# KiCad board Main PCB.kicad_pcb
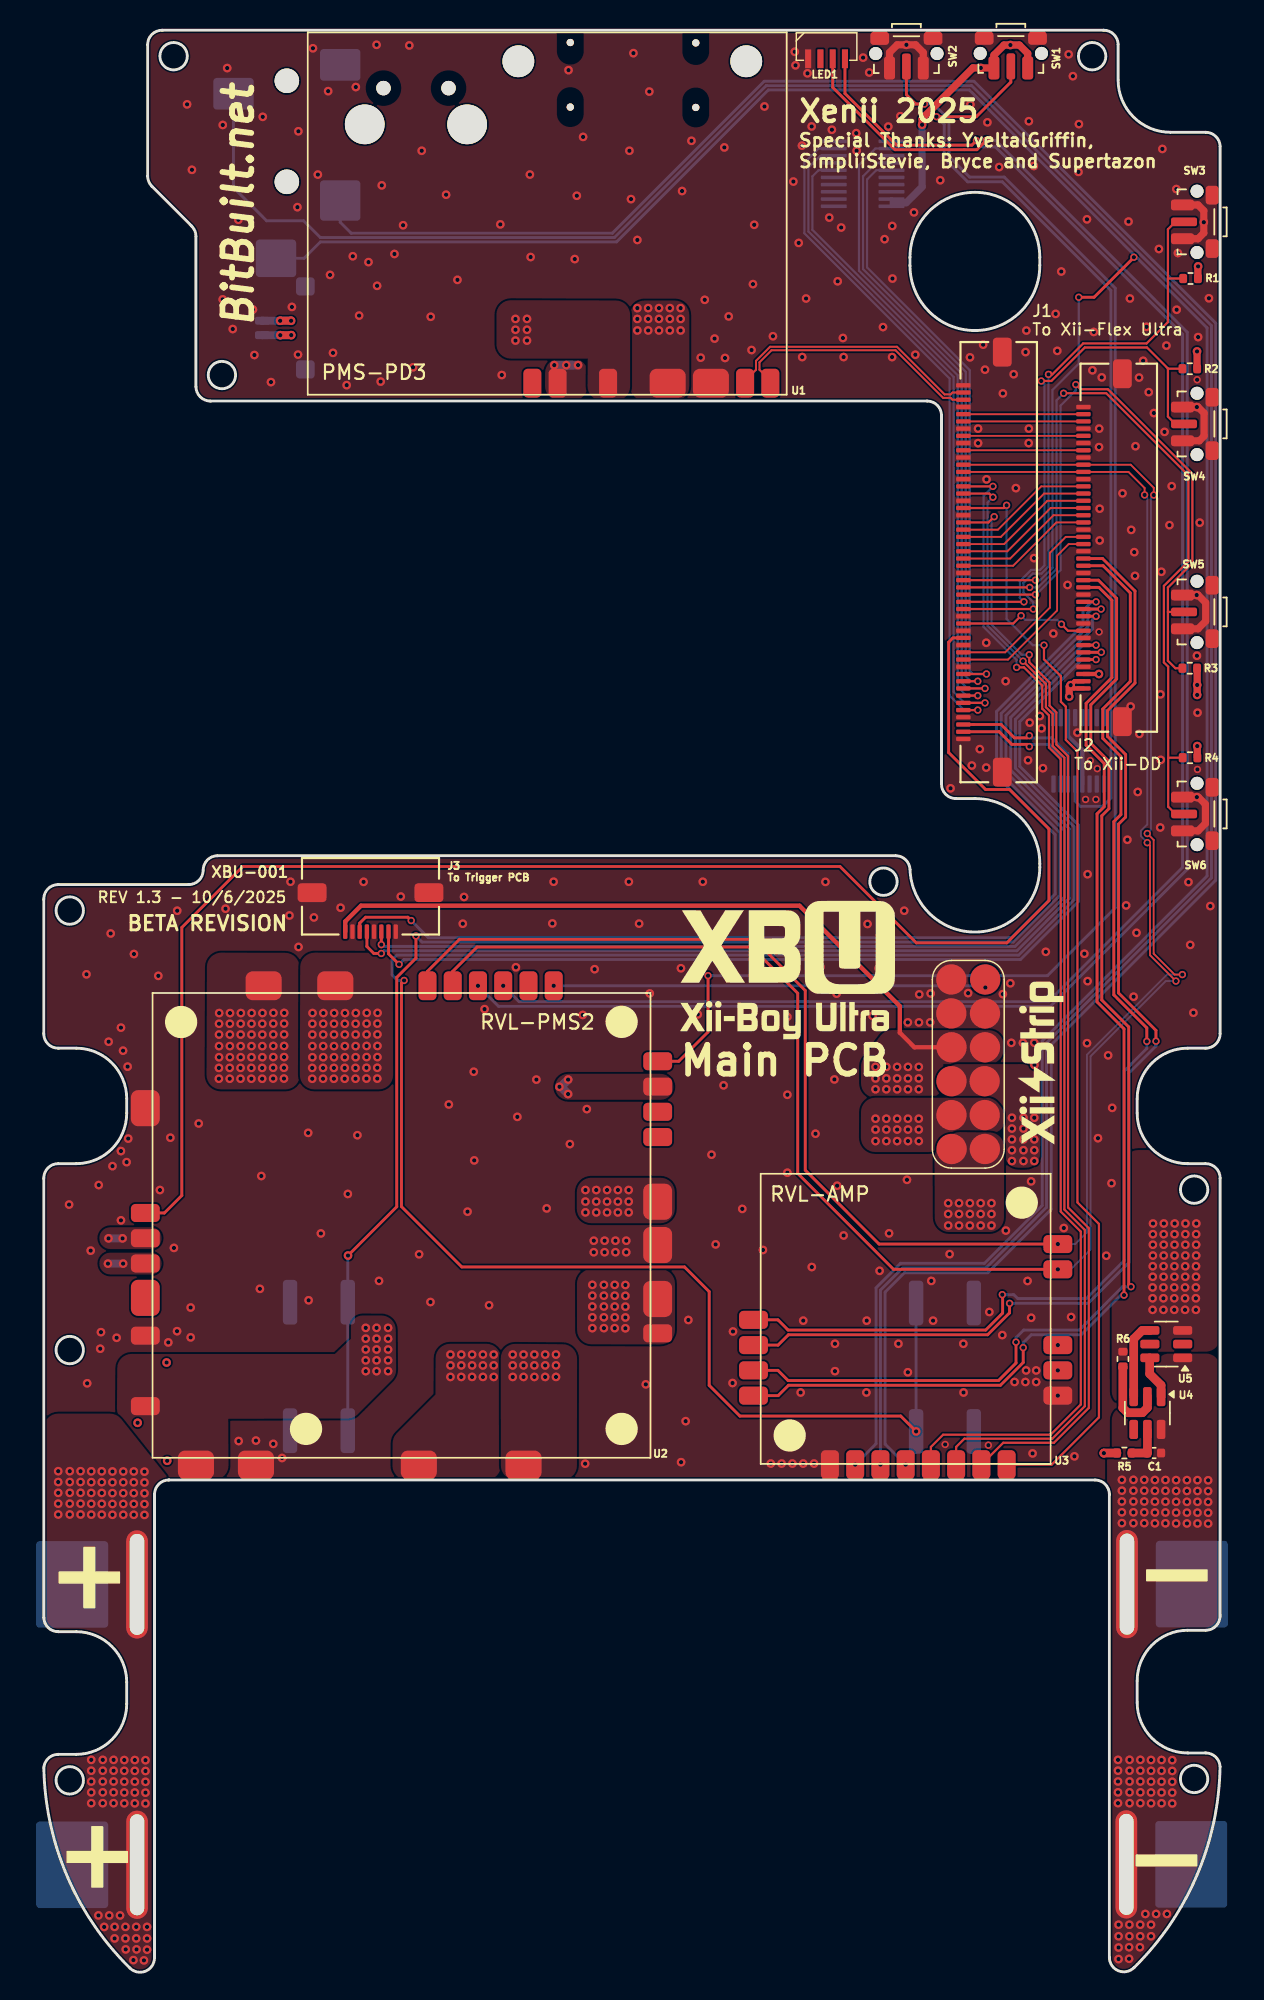
[diagram p0: board, top side]
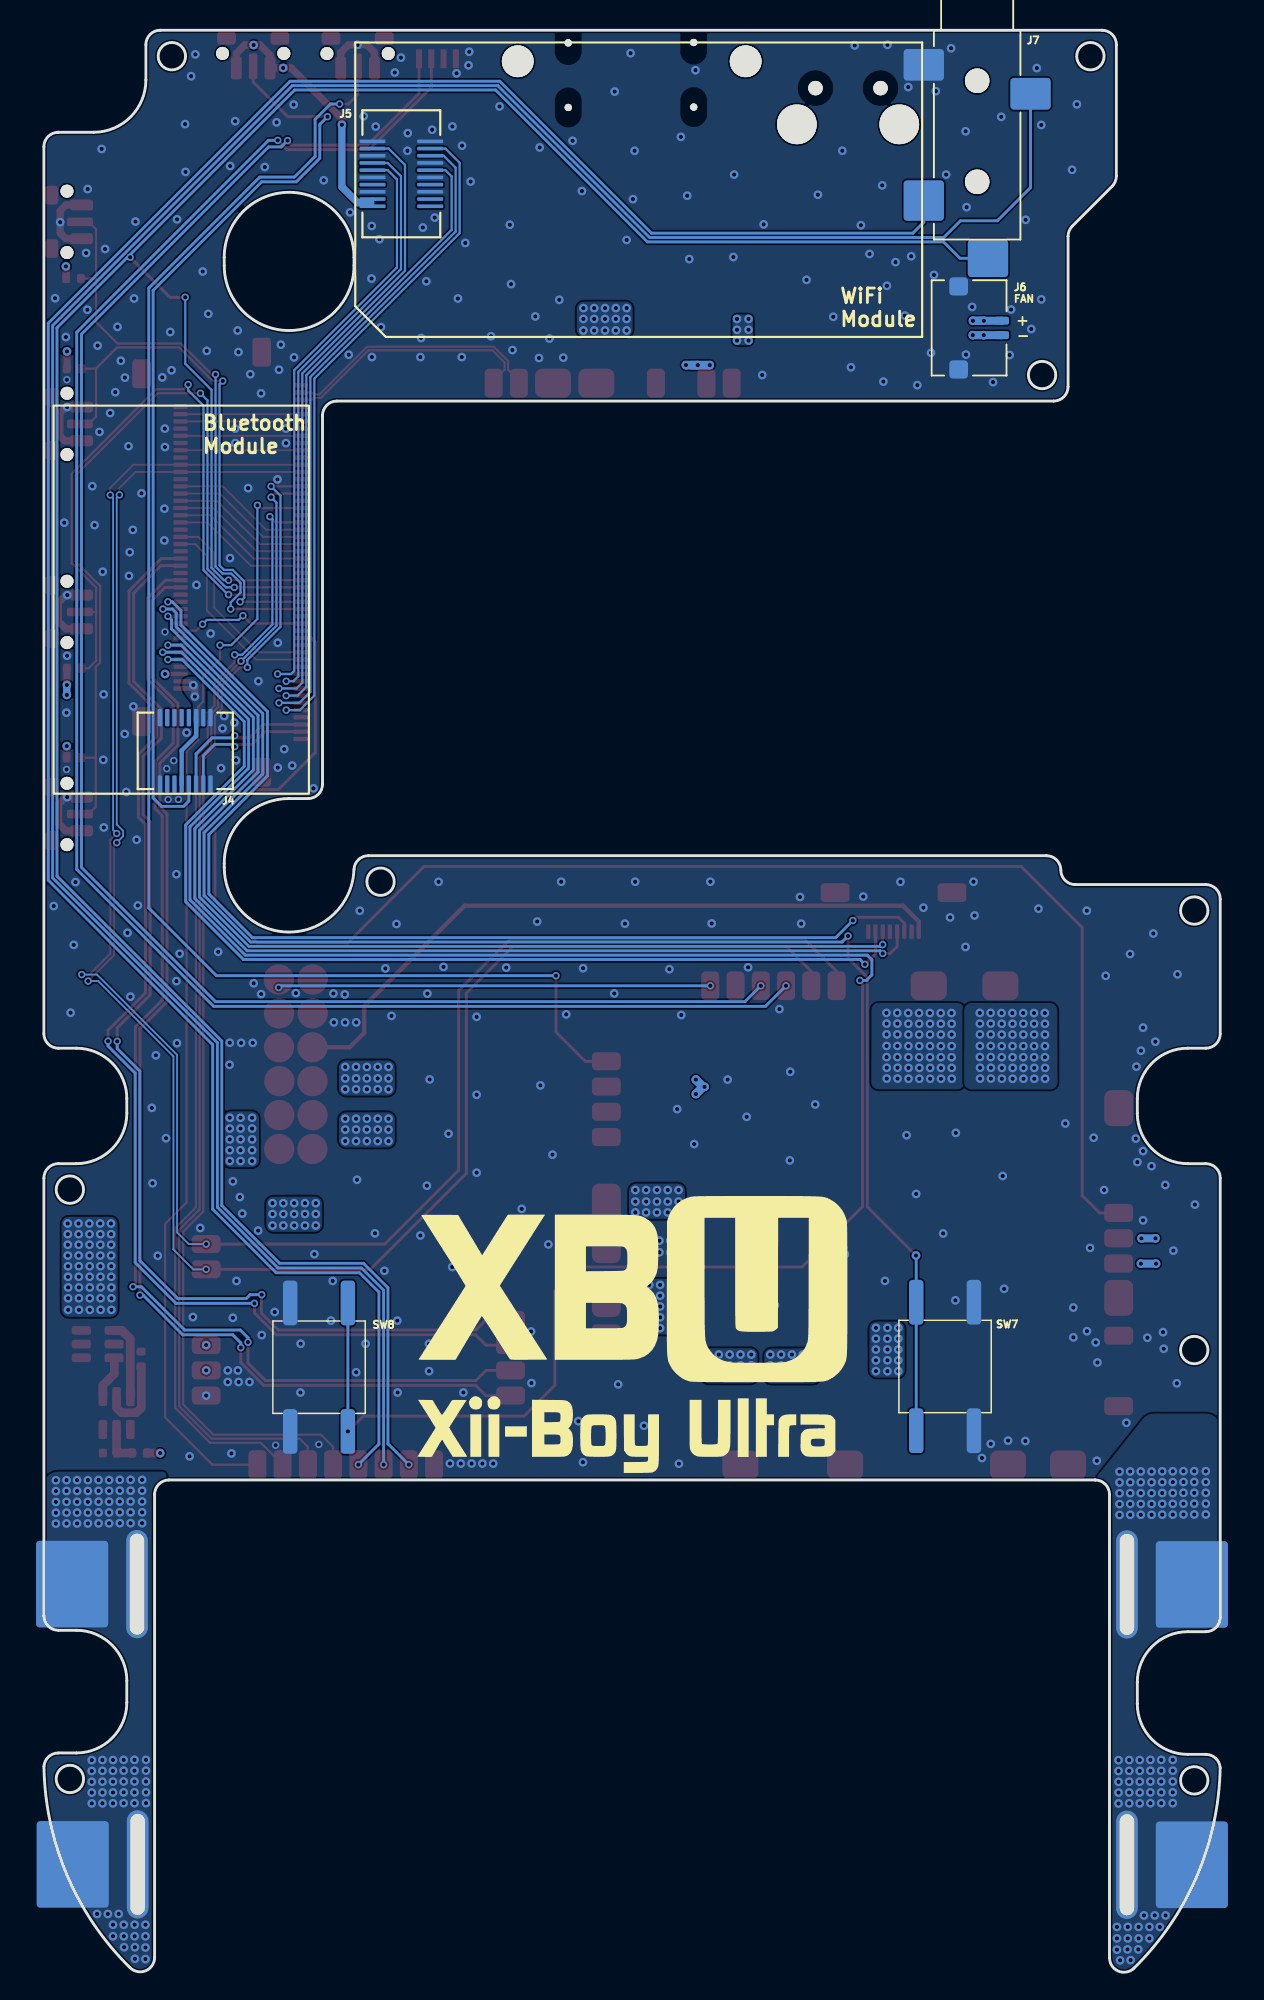
[diagram p1: board, bottom side, seen from below]

Outline 81.55 x 134.47 mm; copper layers: Top, In1.Cu, In2.Cu, Bottom. Coordinates in mm from the lower left corner of the outline.
Outline path: circle c1.8,73.48 r0.95 ; circle c1.8,43.03 r0.95 ; circle c1.8,13.22 r0.95 ; circle c9,132.67 r0.95 ; circle c12.35,110.58 r0.95 ; circle c58.21,75.48 r0.95 ; circle c72.68,132.67 r0.95 ; circle c79.75,13.31 r0.95 ; circle c79.75,54.14 r0.95 ; 0,74.28 0,64.93 arc(0.3,64.23) 1,63.94 2.25,63.94 arc(4.72,62.92) 5.75,60.44 5.75,59.44 arc(4.72,56.97) 2.25,55.94 1,55.94 arc(0.29,55.65) 0,54.94 0,24.51 arc(0.3,23.81) 1,23.52 2.25,23.52 arc(4.72,22.49) 5.75,20.02 5.75,18.52 arc(4.72,16.04) 2.25,15.02 0.99,15.02 arc(0.32,14.75) 0,14.1 arc(1.63,6.57) 5.97,0.21 arc(7.06,0) 7.67,0.92 7.67,33.03 arc(7.97,33.74) 8.68,34.03 72.88,34.03 arc(73.58,33.74) 73.88,33.03 73.88,0.95 arc(74.49,0.03) 75.58,0.24 arc(79.93,6.62) 81.55,14.18 arc(81.23,14.84) 80.55,15.11 79.3,15.11 arc(76.83,16.14) 75.8,18.61 75.8,20.11 arc(76.83,22.59) 79.3,23.61 80.56,23.61 arc(81.26,23.91) 81.55,24.61 81.55,54.94 arc(81.26,55.65) 80.55,55.94 79.3,55.94 arc(76.83,56.97) 75.8,59.44 75.8,60.44 arc(76.83,62.92) 79.3,63.94 80.55,63.94 arc(81.26,64.23) 81.55,64.94 81.55,126.4 arc(81.26,127.1) 80.55,127.4 78.1,127.4 arc(75.54,128.46) 74.48,131.02 74.48,133.47 arc(74.19,134.17) 73.48,134.47 8.2,134.47 arc(7.49,134.17) 7.2,133.47 7.2,124.36 arc(7.28,123.98) 7.49,123.66 10.26,120.89 arc(10.47,120.57) 10.55,120.19 10.55,109.78 arc(10.84,109.07) 11.55,108.78 61.24,108.78 arc(61.94,108.48) 62.24,107.78 62.24,82.23 arc(62.53,81.53) 63.24,81.24 64.55,81.24 arc(67.73,79.92) 69.05,76.74 69.05,76.49 arc(64.64,71.99) 60.05,76.31 arc(59.75,77) 59.05,77.28 12.05,77.28 arc(11.34,76.98) 11.05,76.28 arc(10.76,75.57) 10.05,75.28 1,75.28 arc(0.29,74.98) 0,74.28 ; 60.05,118.74 60.05,118.16 arc(64.55,113.66) 69.05,118.16 69.05,118.74 arc(64.55,123.24) 60.05,118.74
Stack: Top 0.035mm / dielectric 0.1mm FR4 er 4.5 / In1.Cu 0.035mm / dielectric 1.24mm FR4 er 4.5 / In2.Cu 0.035mm / dielectric 0.1mm FR4 er 4.5 / Bottom 0.035mm

## Placement (name value [footprint] x y rotation side)
C1  0.1uF  [C_0402_1005Metric]  76.98 35.9 0 top
G***  -  [LOGO]  69.05 62.83 90 top
G***#2  -  [LOGO]  51.62 69.28 0 top
G***#3  -  [LOGO]  40.63 43.95 180 bottom
J1  5051104091  [CON_5051104091_MOL]  74.53 98.62 90 top
J2  5051105091  [CON_5051105091_MOL]  66.2 97.62 90 top
J3  Conn_02x08_Counter_Clockwise  [CON_541020164]  71.75 84.54 180 bottom
J4  Conn_02x10_Counter_Clockwise  [CON_529910208]  56.77 124.52 270 bottom
J5  Conn_01x01_Pin  [BatteryClip XB3]  79.59 26.81 0 bottom
J6  Conn_01x01_Pin  [BatteryClip XB3]  79.55 7.4 0 bottom
J7  Conn_01x01_Pin  [BatteryClip XB3]  1.96 26.79 180 bottom
J8  Conn_01x01_Pin  [BatteryClip XB3]  1.97 7.37 180 bottom
J9  Conn_01x01_Pin  [Power-POGO]  62.92 68.65 0 top
J10  Conn_01x01_Pin  [Power-POGO]  65.3 66.35 90 top
J11  Conn_01x01_Pin  [Power-POGO]  62.97 66.35 90 top
J12  Conn_01x01_Pin  [Power-POGO]  62.93 63.95 0 top
J13  Conn_01x01_Pin  [Power-POGO]  65.25 63.95 0 top
J14  Conn_01x01_Pin  [Power-POGO]  65.24 56.91 0 top
J15  Conn_01x01_Pin  [Power-POGO]  62.94 56.91 0 top
J16  Conn_01x01_Pin  [Power-POGO]  65.23 61.61 0 top
J17  Conn_01x01_Pin  [Power-POGO]  62.93 61.6 0 top
J18  Conn_01x01_Pin  [Power-POGO]  65.23 59.26 0 top
J19  Conn_01x01_Pin  [Power-POGO]  62.92 59.25 0 top
J20  Conn_01x01_Pin  [Power-POGO]  65.27 68.65 0 top
J21  5037630291  [MOLEX_5037630291]  17.41 113.84 90 bottom
J23  5051100892  [CON_5051100892_MOL]  22.65 74.47 180 top
J25  SJ-3524-SMT  [CUI_SJ-3524-SMT]  16.85 130.97 270 bottom
LED1  ~  [4020-RGB-LED]  54.27 132.49 0 top
R1  10K  [R_0402_1005Metric]  79.45 90.27 0 top
R2  10K  [R_0402_1005Metric]  79.47 84.07 0 top
R3  10K  [R_0402_1005Metric]  79.5 117.27 0 top
R4  10K  [R_0402_1005Metric]  79.45 111.02 0 top
R5  1K  [R_0402_1005Metric]  74.81 42.41 270 top
R6  100R  [R_0402_1005Metric]  74.91 35.9 180 top
SW1  ~  [SW_TL3340AF160QG]  59.8 132.85 180 top
SW2  ~  [SW_TL3340AF160QG]  67.04 132.86 180 top
SW3  ~  [SW_TL3340AF160QG]  79.95 94.17 90 top
SW4  ~  [SW_TL3340AF160QG]  79.95 80.17 90 top
SW5  ~  [SW_TL3340AF160QG]  79.95 121.19 90 top
SW6  ~  [SW_TL3340AF160QG]  79.95 107.19 90 top
SW7  ~  [KS201G]  62.47 41.84 90 bottom
SW8  ~  [KS201G]  19.07 41.89 270 bottom
U1  ~  [PMS-PD]  18.3 109.22 0 top
U2  ~  [UAMP2]  69.8 55.24 180 top
U3  -  [PMS2]  42.06 67.77 180 top
U4  DW01A  [SOT-23-6]  76.51 38.67 270 top
U5  FS8205A  [SOT-23-6]  77.82 43.44 180 top

## Library data of the parts
C1 = -: Description: Unpolarized capacitor, small symbol; ki_fp_filters: C_*
J1 = -: ki_fp_filters: CON_5051104091_MOL
J2 = -: ki_fp_filters: CON_5051105091_MOL
J3 = -: Description: Generic connector, double row, 02x08, counter clockwise pin numbering scheme (similar to DIP package numbering), script generated (kicad-library-utils/schlib/autogen/connector/); ki_fp_filters: Connector*:*_2x??_*
J4 = -: Description: Generic connector, double row, 02x10, counter clockwise pin numbering scheme (similar to DIP package numbering), script generated (kicad-library-utils/schlib/autogen/connector/); ki_fp_filters: Connector*:*_2x??_*
J5-J20 = -: Description: Generic connector, single row, 01x01, script generated; ki_fp_filters: Connector*:*_1x??_*
J21 = -: PARTREV: B; STANDARD: Manufacturer Recommendations; MAXIMUM_PACKAGE_HEIGHT: 1.5 mm; MANUFACTURER: Molex
J23 = -: ki_fp_filters: CON_5051100892_MOL
J25 = -: PARTREV: 1.03; MF: CUI Inc; STANDARD: Manufacturer recommendations
R1-R6 = -: Description: Resistor, small US symbol; ki_fp_filters: R_*

## Footprints (pads in the part's own frame, mm; a bottom-side part is the same pattern mirrored in y, then rotated)
4020-RGB-LED
  rect 0.42x1.3 smd: 1(1.275,0) 2(0.425,0) 3(-0.425,0) 4(-1.275,0)
BatteryClip XB3
  rrect 1.5x7.5 hole 1x7: 1(-4.5,0)
  rrect 5x6 smd: 1(0,0)
C_0402_1005Metric
  rrect 0.56x0.62 smd: 1(-0.48,0) 2(0.48,0)
CON_529910208
  rrect 0.25x1.8 smd: 1(-2.25,2) 2(-1.75,2) 3(-1.25,2) 4(-0.75,2) 5(-0.25,2) 6(0.25,2) 7(0.75,2) 8(1.25,2) 9(1.75,2) 10(2.25,2) 11(2.25,-2) 12(1.75,-2) 13(1.25,-2) 14(0.75,-2) 15(0.25,-2) 16(-0.25,-2) 17(-0.75,-2) 18(-1.25,-2) 19(-1.75,-2) 20(-2.25,-2)
CON_541020164
  rrect 0.3x1.2 smd: 1(-1.75,2.3) 2(-1.25,2.3) 3(-0.75,2.3) 4(-0.25,2.3) 5(0.25,2.3) 6(0.75,2.3) 7(1.25,2.3) 8(1.75,2.3) 9(1.75,-2.3) 10(1.25,-2.3) 11(0.75,-2.3) 12(0.25,-2.3) 13(-0.25,-2.3) 14(-0.75,-2.3) 15(-1.25,-2.3) 16(-1.75,-2.3)
CON_5051100892_MOL
  rrect 0.3x1 smd: 1(-1.75,2.45) 2(-1.25,2.45) 3(-0.75,2.45) 4(-0.25,2.45) 5(0.25,2.45) 6(0.75,2.45) 7(1.25,2.45) 8(1.75,2.45)
  rrect 2x1.3 smd: P1(-4.05,-0.25) P2(4.05,-0.25)
CON_5051104091_MOL
  rrect 0.3x1 smd: 1(-9.75,2.45) 2(-9.25,2.45) 3(-8.75,2.45) 4(-8.25,2.45) 5(-7.75,2.45) 6(-7.25,2.45) 7(-6.75,2.45) 8(-6.25,2.45) 9(-5.75,2.45) 10(-5.25,2.45) 11(-4.75,2.45) 12(-4.25,2.45) 13(-3.75,2.45) 14(-3.25,2.45) 15(-2.75,2.45) 16(-2.25,2.45) 17(-1.75,2.45) 18(-1.25,2.45) 19(-0.75,2.45) 20(-0.25,2.45) 21(0.25,2.45) 22(0.75,2.45) 23(1.25,2.45) 24(1.75,2.45) 25(2.25,2.45) 26(2.75,2.45) 27(3.25,2.45) 28(3.75,2.45) 29(4.25,2.45) 30(4.75,2.45) 31(5.25,2.45) 32(5.75,2.45) 33(6.25,2.45) 34(6.75,2.45) 35(7.25,2.45) 36(7.75,2.45) 37(8.25,2.45) 38(8.75,2.45) 39(9.25,2.45) 40(9.75,2.45)
  rrect 2x1.3 smd: P1(-12.05,-0.25) P2(12.05,-0.25)
CON_5051105091_MOL
  rrect 0.3x1 smd: 1(-12.25,2.45) 2(-11.75,2.45) 3(-11.25,2.45) 4(-10.75,2.45) 5(-10.25,2.45) 6(-9.75,2.45) 7(-9.25,2.45) 8(-8.75,2.45) 9(-8.25,2.45) 10(-7.75,2.45) 11(-7.25,2.45) 12(-6.75,2.45) 13(-6.25,2.45) 14(-5.75,2.45) 15(-5.25,2.45) 16(-4.75,2.45) 17(-4.25,2.45) 18(-3.75,2.45) 19(-3.25,2.45) 20(-2.75,2.45) 21(-2.25,2.45) 22(-1.75,2.45) 23(-1.25,2.45) 24(-0.75,2.45) 25(-0.25,2.45) 26(0.25,2.45) 27(0.75,2.45) 28(1.25,2.45) 29(1.75,2.45) 30(2.25,2.45) 31(2.75,2.45) 32(3.25,2.45) 33(3.75,2.45) 34(4.25,2.45) 35(4.75,2.45) 36(5.25,2.45) 37(5.75,2.45) 38(6.25,2.45) 39(6.75,2.45) 40(7.25,2.45) 41(7.75,2.45) 42(8.25,2.45) 43(8.75,2.45) 44(9.25,2.45) 45(9.75,2.45) 46(10.25,2.45) 47(10.75,2.45) 48(11.25,2.45) 49(11.75,2.45) 50(12.25,2.45)
  rrect 2x1.3 smd: P1(-14.55,-0.25) P2(14.55,-0.25)
CUI_SJ-3524-SMT
  round 1.7 hole 1.7 unplated: (0,0) (7,0)
  rrect 2.2x2.8 smd: 1(-1.1,-3.7) 3(0.9,3.7)
  rrect 2.8x2.8 smd: 2(8.3,-3.7)
  rrect 2.6x2.8 smd: 4(12.3,0.75)
KS201G
  rrect 3.1x1 smd: 1(-4.45,2) 2(4.45,2) 3(-4.45,-2) 4(4.45,-2)
MOLEX_5037630291
  rrect 0.55x1 smd: 1(0.5,-2.265) 2(-0.5,-2.265)
  rrect 1.26x1.3 smd: S1(2.875,0.725) S2(-2.875,0.725)
PMS2
  rrect 2x1.25 smd: 1(-0.5,23.58) 2(35.02,23.74) 5(-0.5,9.98) 6(-0.5,8.23) 7(-0.5,6.48) 8(-0.5,4.73) 17(35.02,15.24) 18(35.02,16.99) 19(35.02,18.74) 21(35.02,28.62)
  rrect 2x2.5 smd: 1(-0.5,21.2) 2(-0.5,17.46) 2(35.02,7.98) 3(-0.5,14.46) 20(35.02,21.12)
  rrect 2.5x2 smd: 2(27.35,32.7) 15(21.85,-0.5) 16(26.82,-0.5) 21(31.51,32.7) 22(16.06,32.7) 23(8.8,32.7)
  rrect 1.25x2 smd: 9(6.71,-0.5) 10(8.46,-0.5) 11(10.21,-0.5) 12(11.96,-0.5) 13(13.71,-0.5) 14(15.46,-0.5)
PMS-PD
  round 2.75 hole 2.75 unplated: (3.95,18.73) (11.05,18.73)
  round 1 hole 2.2 unplated: (5.25,21.24) (9.76,21.24)
  round 2.2 hole 2.2 unplated: (14.6,23.1) (30.4,23.1)
  rrect 0.5x0.5 hole 1.6x2.8 unplated: (18.2,24.4) (26.9,24.375)
  rrect 0.5x0.5 hole 1.6x2.5 unplated: (18.2,19.925) (26.9,19.9)
  rrect 1.25x2 smd: 1(32.07,0.8) 2(30.32,0.8) 5(20.82,0.8) 6(17.32,0.8) 7(15.57,0.8)
  rrect 2.5x2 smd: 3(27.95,0.8) 4(24.95,0.8)
Power-POGO
  round 2.1 smd: 1(0,0.05)
R_0402_1005Metric
  rrect 0.54x0.64 smd: 1(-0.51,0) 2(0.51,0)
SOT-23-6
  rrect 1.325x0.6 smd: 1(-1.137,0.95) 2(-1.137,0) 3(-1.137,-0.95) 4(1.137,-0.95) 5(1.137,0) 6(1.137,0.95)
SW_TL3340AF160QG
  round 0.9 hole 0.9 unplated: (-2.125,0) (2.125,0)
  rrect 0.76x1.6 smd: 1(-1.17,1.005) 1(1.17,1.005)
  rrect 0.6x1.8 smd: 2(0,0.9)
  rrect 1.3x0.9 smd: SH1(-1.85,-1.05) SH2(1.85,-1.05)
UAMP2
  rrect 2x1.25 smd: 1(-0.5,4.87) 2(-0.5,6.62) 5(-0.5,11.87) 6(-0.5,13.62) 7(-0.5,15.37) 15(20.6,15.37) 16(20.6,13.62) 17(20.6,11.87) 18(20.6,10.12)
  rrect 1.25x2 smd: 7(15.3,20.15) 8(3.05,20.15) 9(4.8,20.15) 10(6.55,20.15) 11(8.3,20.15) 12(10.05,20.15) 13(11.8,20.15) 14(13.55,20.15)

## Nets
+1V0: J18.1 J19.1 U3.23
+1V8: J1.3 J14.1 J15.1 U2.6 U3.21
+1V15: J16.1 J17.1 U3.22
+3V3: J1.1 J1.2 J3.6 J3.7 J3.13 J4.11 J4.12 J12.1 J13.1 J23.8 R1.2 R2.2 R3.2 R4.2 SW2.1 U1.5 U2.5 U3.1
GND: J1.4 J1.8 J1.10 J1.14 J1.17 J1.20 J1.23 J1.30 J1.33 J1.35 J1.37 J1.40 J1.P1 J1.P2 J2.1 J2.4 J2.11 J2.14 J2.16 J2.18 J2.24 J2.32 J2.34 J2.37 J2.40 J2.42 J2.44 J2.47 J2.50 J2.P1 J2.P2 J3.1 J3.8 J3.9 J3.16 J4.1 J4.4 J4.6 J4.8 J4.13 J4.15 J4.18 J4.20 J9.1 J10.1 J11.1 J21.S1 J21.S2 J23.1 J23.4 J23.7 J23.P1 J23.P2 J25.1 LED1.4 SW1.1 SW1.SH1 SW1.SH2 SW2.SH1 SW2.SH2 SW3.1 SW3.SH1 SW3.SH2 SW4.1 SW4.SH1 SW4.SH2 SW5.1 SW5.SH1 SW5.SH2 SW6.1 SW6.SH1 SW6.SH2 SW7.1 SW7.2 SW8.1 SW8.2 U1.3 U2.7 U3.2
V0: J1.39 J2.46
V1: J1.24 J2.25
V2: J1.25 J2.26
V3: J1.38 J2.45
V4: J1.26 J2.27
V5: J1.27 J2.28
V6: J1.29 J2.30
V7: J1.34 J2.41
VBUS: U1.4 U3.3
54: J1.36 J2.43
A: LED1.1 U3.11
B+: J2.19 R3.1 SW5.2
B-: J2.20 R4.1 SW6.2
BAT -: C1.2 J5.1 J6.1 U4.6 U5.1
BATT +: J7.1 J8.1 R6.2 U3.15
BATT -: R5.1 U3.16 U5.3
BT+: J2.3 J3.11
BT-: J2.2 J3.10
C: J2.31 U2.9
CK: J1.21 J2.12
CS: J1.28 J2.29
D: J2.35 U2.10
D+: J2.49 U1.2
D-: J2.48 U1.1
DI: J1.22 J2.13
F+: J21.1 U3.19
F-: J21.2 U3.18
GCC: J1.9 J2.17
HL: J25.2 U2.12
HR: J25.3 U2.13
HS: J2.23 J25.4 U2.14
L: J1.13 J23.6
L+: J1.18 U2.18
L-: J1.19 U2.17
LED+: LED1.2 U3.12
LT: J1.12 SW8.3 SW8.4
LZ: J1.11 J23.3
MCLK: J2.33 U2.8
Power: SW1.2 U3.8
R: J1.7 J23.5
R+: J1.15 U2.15
R-: J1.16 U2.16
RT: J1.6 SW7.3 SW7.4
RZ: J1.5 J23.2
SCL: J1.31 J2.38 U2.2 U3.13
SDA: J1.32 J2.39 U2.1 U3.14
SDIO1: J2.5 J4.2
SDIO2: J2.6 J4.3
SDIO3: J2.7 J4.5
SDIO4: J2.8 J4.19
SDIO5: J2.9 J4.17
SDIO6: J2.10 J4.16
SYNC: J3.12 SW2.2
T-: J20.1 U3.9
U10: J2.15 U3.17
UP: U1.6 U3.7
V+: J2.21 R1.1 SW3.2
V-: J2.22 R2.1 SW4.2
WS: J2.36 U2.11
Net-(U4-OC): U4.3 U5.4
Net-(U4-OD): U4.1 U5.6
Net-(U4-VCC): C1.1 R6.1 U4.5
Net-(U4-VM): R5.2 U4.2

Pads without a net: J3 2 3 4 5 14 15; J4 7 9 10 14; LED1 3; U1 7; U3 5 6 10 20; U4 4; U5 2 5

## Via types
v1: diameter 0.508, hole 0.3, Top to Bottom, 78 vias
v2: diameter 0.6, hole 0.3, Top to Bottom, 880 vias

## Routing (per net, layer and track width the routed paths; a pad name or vN(x,y) marks a point on that pad's centre or on a via; arc(x,y) is an arc through that point)
+1V0:
  vias: v2(32.51,42.72) v2(32.51,41.97) v2(32.51,41.17) v2(33.26,42.72) v2(33.26,41.97) v2(33.26,41.17) v2(34.01,42.72) v2(34.01,41.97) v2(34.01,41.17) v2(34.76,42.72) v2(34.76,41.97) v2(34.76,41.17) v2(35.51,42.72) v2(35.51,41.97) v2(35.51,41.17) v2(57.66,59.06) v2(57.66,58.31) v2(57.66,57.51) v2(58.41,59.06) v2(58.41,58.31) v2(58.41,57.51) v2(59.16,59.06) v2(59.16,58.31) v2(59.16,57.51) v2(59.91,59.06) v2(59.91,58.31) v2(59.91,57.51) v2(60.66,59.06) v2(60.66,58.31) v2(60.66,57.51)
+1V8: length 93.7
  Top w0.3: v2(73.15,89.87) 72.07,89.87
  In2.Cu w0.55: v2(23.87,43.82) 32.2,43.82 37.28,48.89 42.79,48.89 43.85,49.96 43.88,49.96 44.01,50.09 44.01,59.51 47.97,63.47 70.54,63.47 74.87,67.79 74.88,67.79 78.12,71.03 78.12,86.02 74.28,89.87 v2(73.15,89.87)
  vias: v2(22.32,44.57) v2(22.32,43.82) v2(22.32,43.07) v2(22.32,42.32) v2(22.32,41.57) v2(23.07,44.57) v2(23.07,43.82) v2(23.07,43.07) v2(23.07,42.32) v2(23.07,41.57) v2(23.87,44.57) v2(23.87,43.07) v2(23.87,42.32) v2(23.87,41.57) v2(62.7,53.21) v2(62.7,52.46) v2(62.7,51.66) v2(63.45,53.21) v2(63.45,52.46) v2(63.45,51.66) v2(64.2,53.21) v2(64.2,52.46) v2(64.2,51.66) v2(64.95,53.21) v2(64.95,52.46) v2(64.95,51.66) v2(65.7,53.21) v2(65.7,52.46) v2(65.7,51.66) v2(70.3,41.62)
+1V15:
  vias: v2(28.19,42.72) v2(28.19,41.97) v2(28.19,41.17) v2(28.94,42.72) v2(28.94,41.97) v2(28.94,41.17) v2(29.69,42.72) v2(29.69,41.97) v2(29.69,41.17) v2(30.44,42.72) v2(30.44,41.97) v2(30.44,41.17) v2(31.19,42.72) v2(31.19,41.97) v2(31.19,41.17) v2(67.12,59.12) v2(67.12,58.37) v2(67.12,57.62) v2(67.12,56.87) v2(67.12,56.12) v2(67.92,59.12) v2(67.92,58.37) v2(67.92,57.62) v2(67.92,56.87) v2(67.92,56.12) v2(68.67,59.12) v2(68.67,58.37) v2(68.67,57.62) v2(68.67,56.87) v2(68.67,56.12)
+3V3: length 115.7
  Top w0.3: 72.07,89.37 71.46,89.37 v2(71.19,89.1) 71.42,88.87 72.07,88.87 ; 62.97,64.01 62.96,64 60.35,64 59.34,65.01 59.34,66.86 52.39,73.81 21.99,73.81 20.9,72.72 J23.8
  Top w0.5: v2(79.95,112.22) 79.95,111.03 R4.2 ; v2(80.03,118.11) 80.01,118.09 R3.2 ; v2(79.97,84.87) 79.97,84.15 ; v2(79.96,88.42) v2(79.96,89.11) 79.96,90.26 R1.2 ; v2(71.19,89.1) 71.09,88.99 v2(71.09,88.3) ; SW2.1 68.21,132.86 67.63,133.44 v2(67.01,133.44) 66.57,133.44 65.87,132.74 SW2.1 v2(64.96,131.86) 64.41,131.86 60.89,128.33 v2(60.89,127.92)
  In1.Cu w0.5: v2(79.96,89.11) 79.95,89.1 ; v2(79.96,89.11) 79.97,89.1 79.97,88.42 v2(79.96,88.42) ; v2(79.96,89.11) 71.2,89.11 v2(71.19,89.1)
  In2.Cu w0.75: v2(70.3,43.37) 70.3,47.04 69.5,47.84 69.5,59.44 68.94,60 61.76,60 v2(60.66,61.1)
  Bottom w0.25: J4.12 J4.11
  Bottom w0.3: J3.13 72,84.57 71,85.57 J3.6
  Bottom w0.5: 59,122.51 59.79,122.51 60.89,123.61 v2(60.89,127.92) ; v2(79.96,88.42) 79.97,88.42 79.97,89.1 v2(79.96,89.11)
  vias: v2(32.7,114.47) v2(32.7,113.72) v2(32.7,112.97) v2(33.5,114.47) v2(33.5,113.72) v2(33.5,112.97) v2(38.03,47.55) v2(38.03,46.8) v2(38.03,46.05) v2(38.03,45.3) v2(38.03,44.55) v2(38.83,47.55) v2(38.83,46.8) v2(38.83,46.05) v2(38.83,45.3) v2(38.83,44.55) v2(39.58,47.55) v2(39.58,46.8) v2(39.58,46.05) v2(39.58,45.3) v2(39.58,44.55) v2(40.32,47.54) v2(40.32,46.79) v2(40.32,46.04) v2(40.32,45.29) v2(40.32,44.54) v2(57.66,62.65) v2(57.66,61.85) v2(57.66,61.1) v2(58.41,62.65) v2(58.41,61.85) v2(58.41,61.1) v2(59.16,62.65) v2(59.16,61.85) v2(59.16,61.1) v2(59.91,62.65) v2(59.91,61.85) v2(59.91,61.1) v2(60.66,62.65) v2(60.66,61.85)
GND: length 30.6
  Top w0.5: SW3.1 v2(79.93,95.34) 80.02,95.34 80.55,94.81 80.55,93.53 80.02,93 SW3.1 ; SW6.1 80.11,106.02 80.44,106.35 80.44,107.94 80.02,108.36 v2(79.94,108.36) SW6.1 ; SW4.1 78.95,81.34 v2(79.94,81.34) 80.04,81.34 80.53,80.85 80.53,79.51 80.02,79 SW4.1 ; SW1.1 60.97,132.92 60.44,133.45 v2(59.8,133.45) 59.17,133.45 58.63,132.92 SW1.1 ; SW5.1 80.02,120.02 80.42,120.42 v2(80.42,121.17) 80.42,121.96 80.02,122.36 SW5.1
  In2.Cu w0.5: v2(53.4,35.17) v2(50.4,35.17)
  In2.Cu w0.6: v2(68.67,64.32) 68.66,64.31 v2(67.07,64.31) ; v2(61.45,65.73) v2(59.9,65.73)
  vias: v1(62.49,36.49) v1(65.48,36.44) v1(72.22,81.18) v1(72.55,83.87) v1(72.94,81.18) v1(73.03,83.31) v1(73.16,92.78) v1(79.96,110.25) v1(79.98,83.25) v2(1.75,53.11) v2(2.96,69.06) v2(3.01,40.72) v2(3.25,49.92) v2(3.81,54.46) v2(3.96,44.27) v2(3.91,43.12) v2(4.5,64.39) v2(4.64,71.89) v2(4.76,55.77) v2(5.05,43.88) v2(5.35,65.37) v2(5.35,56.82) v2(5.35,52.02) v2(5.5,63.77) v2(5.74,56.05) v2(5.81,62.66) v2(5.85,57.68) v2(6.25,70.47) v2(6.5,37.99) v2(7.94,68.95) v2(8.05,54.12) v2(8.51,42.16) v2(8.56,35.36) v2(8.63,43.56) v2(8.77,57.74) v2(9.02,50.11) v2(9.25,73.47) v2(9.24,44.33) v2(9.93,129.33) v2(10.18,45.97) v2(10.18,43.91) v2(10.27,124.8) v2(10.74,58.73) v2(12.41,127.9) v2(12.4,115.82) v2(12.6,73.61) v2(12.72,131.85) v2(13.1,113.77) v2(13.49,121.33) v2(13.51,36.73) v2(14.5,115.12) v2(14.6,111.97) v2(14.71,36.76) v2(14.98,47.27) v2(15.08,55.09) v2(15.18,128.47) v2(15.75,110.09) v2(15.91,36.53) v2(16.52,35.55) v2(17.03,73.13) v2(17.2,115.3) v2(17.1,75.47) v2(17.58,122.21) v2(17.65,127.47) v2(17.62,111.99) v2(17.66,70.96) v2(18.33,58.08) v2(18.36,46.48) v2(18.66,133.22) v2(18.73,73) v2(19,124.47) v2(19.21,51.11) v2(19.71,130.24) v2(19.84,117.52) v2(20.05,112.12) v2(20.57,73.67) v2(21,109.88) v2(21.08,53.84) v2(21.42,118.81) v2(21.63,130.53) v2(21.74,57.91) v2(21.86,114.7) v2(22.17,75.47) v2(22.51,118.4) v2(23.07,133.46) v2(23.11,116.76) v2(23.24,47.82) v2(23.35,110.12) v2(23.43,123.72) v2(24.31,118.97) v2(24.75,74.45) v2(24.91,120.96) v2(25.34,133.41) v2(25.6,111.12) v2(26.02,49.66) v2(26.2,126.12) v2(26.82,114.61) v2(26.81,46.36) v2(27.89,123.07) v2(28.08,60.04) v2(28.68,117.17) v2(29.05,72.57) v2(29.13,74.42) v2(29.38,52.62) v2(29.81,62.31) v2(29.84,56.17) v2(30.56,66.65) v2(30.87,46.13) v2(31.65,121.02) v2(31.75,110.58) v2(32.73,69.55) v2(32.83,59.18) v2(33.7,124.47) v2(33.75,118.75) v2(34.15,61.77) v2(34.86,52.84) v2(35.26,72.58) v2(35.35,75.47) v2(36.38,131.7) v2(36.47,57.3) v2(36.81,118.61) v2(36.95,123) v2(37.39,127.08) v2(37.36,66.24) v2(37.53,35.16) v2(37.65,59.72) v2(38.19,69.41) v2(38.13,50.61) v2(38.13,49.81) v2(38.88,50.61) v2(38.88,49.81) v2(39.63,50.61) v2(39.63,49.81) v2(39.95,37.78) v2(40.38,50.61) v2(40.38,49.81) v2(40.56,75.47) v2(40.6,126.12) v2(40.71,122.77) v2(40.88,132.88) v2(41.15,119.94) v2(41.27,72.57) v2(41.74,40.65) v2(41.98,130.22) v2(42.01,67.73) v2(44.17,69.48) v2(44.18,35.26) v2(44.25,123.33) v2(44.5,38.1) v2(44.68,45.11) v2(44.9,126.81) v2(45.34,66.29) v2(45.54,111.78) v2(45.69,75.47) v2(45.82,115.79) v2(46.29,56.57) v2(46.5,113.1) v2(46.58,50.35) v2(47.18,126.35) v2(47.13,61.37) v2(47.23,111.76) v2(47.35,72.72) v2(47.48,114.64) v2(47.78,44.31) v2(47.75,40.74) v2(48.42,52.81) v2(49.07,112.31) v2(49.16,116.88) v2(49.25,120.99) v2(49.5,69.52) v2(49.86,49.96) v2(49.96,129.18) v2(50.55,113.27) v2(51.15,35.17) v2(51.55,66.12) v2(51.55,60.72) v2(51.55,55.32) v2(51.9,35.17) v2(51.97,123.98) v2(52.06,132.97) v2(52.11,132.03) v2(52.34,119.73) v2(52.47,40.09) v2(52.56,126.47) v2(52.58,111.82) v2(52.65,45.07) v2(52.65,35.17) v2(52.85,115.88) v2(52.94,131.48) v2(53.23,127.8) v2(53.24,48.78) v2(53.5,58.02) v2(53.84,69.57) v2(54.19,75.46) v2(54.45,121.49) v2(54.64,127.57) v2(54.81,61.78) v2(54.85,43.47) v2(54.85,41.57) v2(54.96,67.72) v2(55.04,117.07) v2(55,54.42) v2(55.28,120.8) v2(55.4,113.15) v2(55.45,111.82) v2(55.45,50.97) v2(56.32,127.34) v2(56.35,126.12) v2(56.8,132.57) v2(57.05,45.07) v2(57.03,40.09) v2(57.11,72.55) v2(57.22,131.54) v2(57.45,66.18) v2(57.88,69.47) v2(57.94,48.52) v2(58.18,113.9) v2(58.29,119.99) v2(58.55,127.79) v2(58.6,51.12) v2(58.82,120.9) v2(58.83,117.26) v2(58.81,111.82) v2(59.25,43.47) v2(59.38,128.51) v2(59.65,73.47) v2(59.84,54.82) v2(59.9,41.49) v2(60.33,121.85) v2(60.42,111.99) v2(60.69,67.67) v2(60.67,65.73) v2(61.48,67.73) v2(61.53,47.82) v2(61.65,45.07) v2(62.15,124.07) v2(62.8,49.67) v2(62.86,81.95) v2(63.75,43.47) v2(63.76,40.09) v2(64.08,67.76) v2(64.24,129.32) v2(64.21,111.8) v2(64.34,83.52) v2(64.77,106.87) v2(64.77,105.86) v2(64.89,84.66) v2(65.12,112.68) v2(65.25,110.95) v2(65.36,103.35) v2(65.34,92.03) v2(65.34,83.38) v2(65.42,128.08) v2(65.55,45.67) v2(66.23,124.99) v2(66.49,109.31) v2(66.49,67.69) v2(66.45,44.07) v2(66.68,89.37) v2(66.7,51.3) v2(67.01,68.44) v2(67.24,110.63) v2(67.3,40.82) v2(67.39,102.74) v2(67.79,52.48) v2(67.88,64.31) v2(67.96,53.63) v2(68.06,112.17) v2(68.1,41.62) v2(68.05,40.82) v2(68.12,113.66) v2(68.2,47.82) v2(68.29,128.16) v2(68.29,106.86) v2(68.28,105.86) v2(68.23,83.89) v2(68.35,86.5) v2(68.45,54.71) v2(68.45,45.27) v2(68.55,35.87) v2(68.64,125.06) v2(68.65,97.89) v2(68.68,62.79) v2(68.8,41.62) v2(68.8,40.82) v2(69.05,86.95) v2(69.17,86.1) v2(69.27,83.34) v2(69.47,70.62) v2(69.99,92.67) v2(70.15,114.82) v2(70.26,112.25) v2(70.3,39.87) v2(70.54,117.75) v2(70.71,51.48) v2(70.97,96.03) v2(71.05,132.8) v2(71.22,45.32) v2(71.34,131.28) v2(71.45,35.67) v2(71.66,85.8) v2(71.76,127.96) v2(71.73,124.65) v2(72.14,70.49) v2(72.32,121.37) v2(72.36,75.99) v2(72.36,68.59) v2(72.32,64.29) v2(72.7,110.91) v2(72.79,113.56) v2(73.08,57.71) v2(73.17,106.87) v2(73.16,105.59) v2(73.2,101.32) v2(73.2,99.12) v2(73.34,110.41) v2(73.66,49.56) v2(73.79,63.45) v2(74.07,59.81) v2(74.02,54.59) v2(74.78,102.38) v2(75.04,73.83) v2(75.12,78.38) v2(75.2,121.21) v2(75.3,115.88) v2(75.39,99.85) v2(75.35,87.62) v2(75.6,98.31) v2(75.55,67.51) v2(75.68,105.65) v2(75.65,96.67) v2(75.75,71.94) v2(75.84,81.69) v2(75.93,110.4) v2(75.95,85.71) v2(76.21,111.57) v2(76.45,113.92) v2(76.6,109.39) v2(76.96,107.95) v2(77.31,119.31) v2(77.4,79.23) v2(77.48,96.95) v2(77.41,88.45) v2(77.44,83.92) v2(77.55,126.24) v2(77.7,106.64) v2(77.83,112.62) v2(78.04,100.18) v2(78.19,102.88) v2(78.51,123.46) v2(78.54,115.1) v2(78.62,119.03) v2(79.36,75.45) v2(79.48,71.1) v2(79.7,66.4) v2(79.94,91.13) v2(79.98,87.19) v2(80.03,113.21) v2(80.14,100.35) v2(80.78,115.9) v2(80.87,73.79)